# KiCad board Entrex Trapezoid Processor Board v37.kicad_pcb
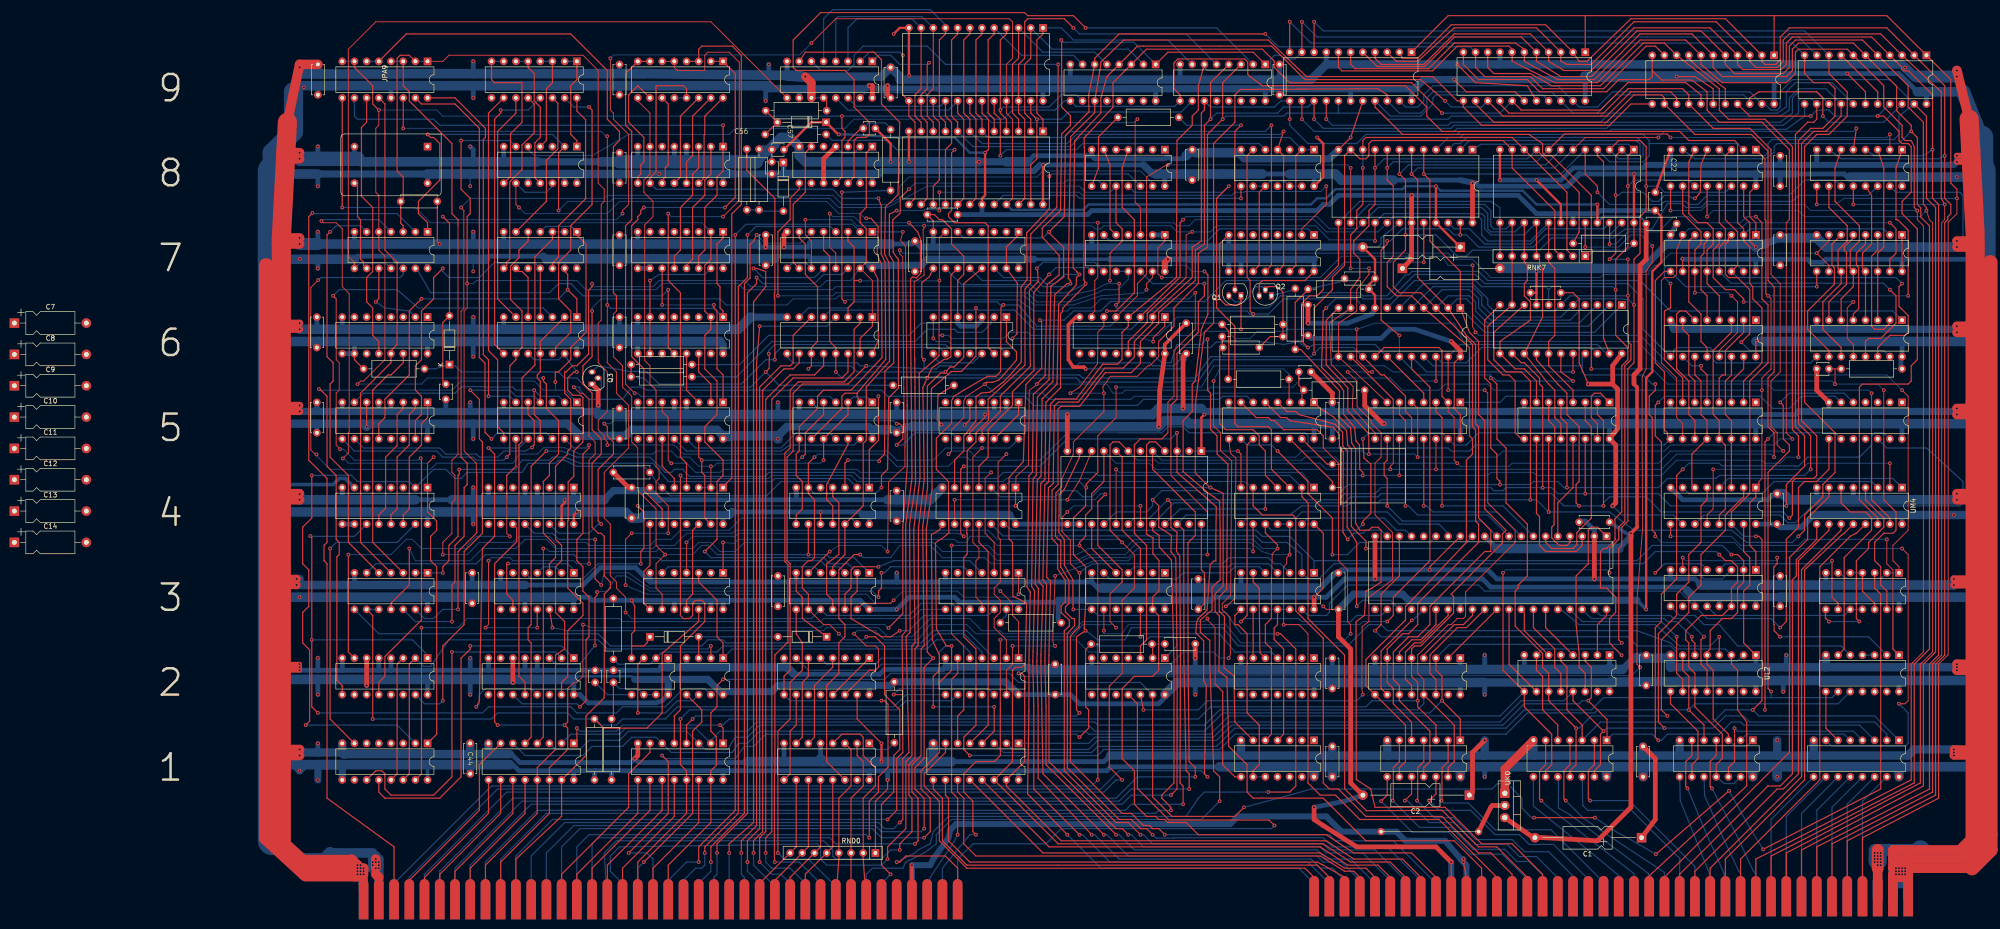
[diagram p0: board, top side]
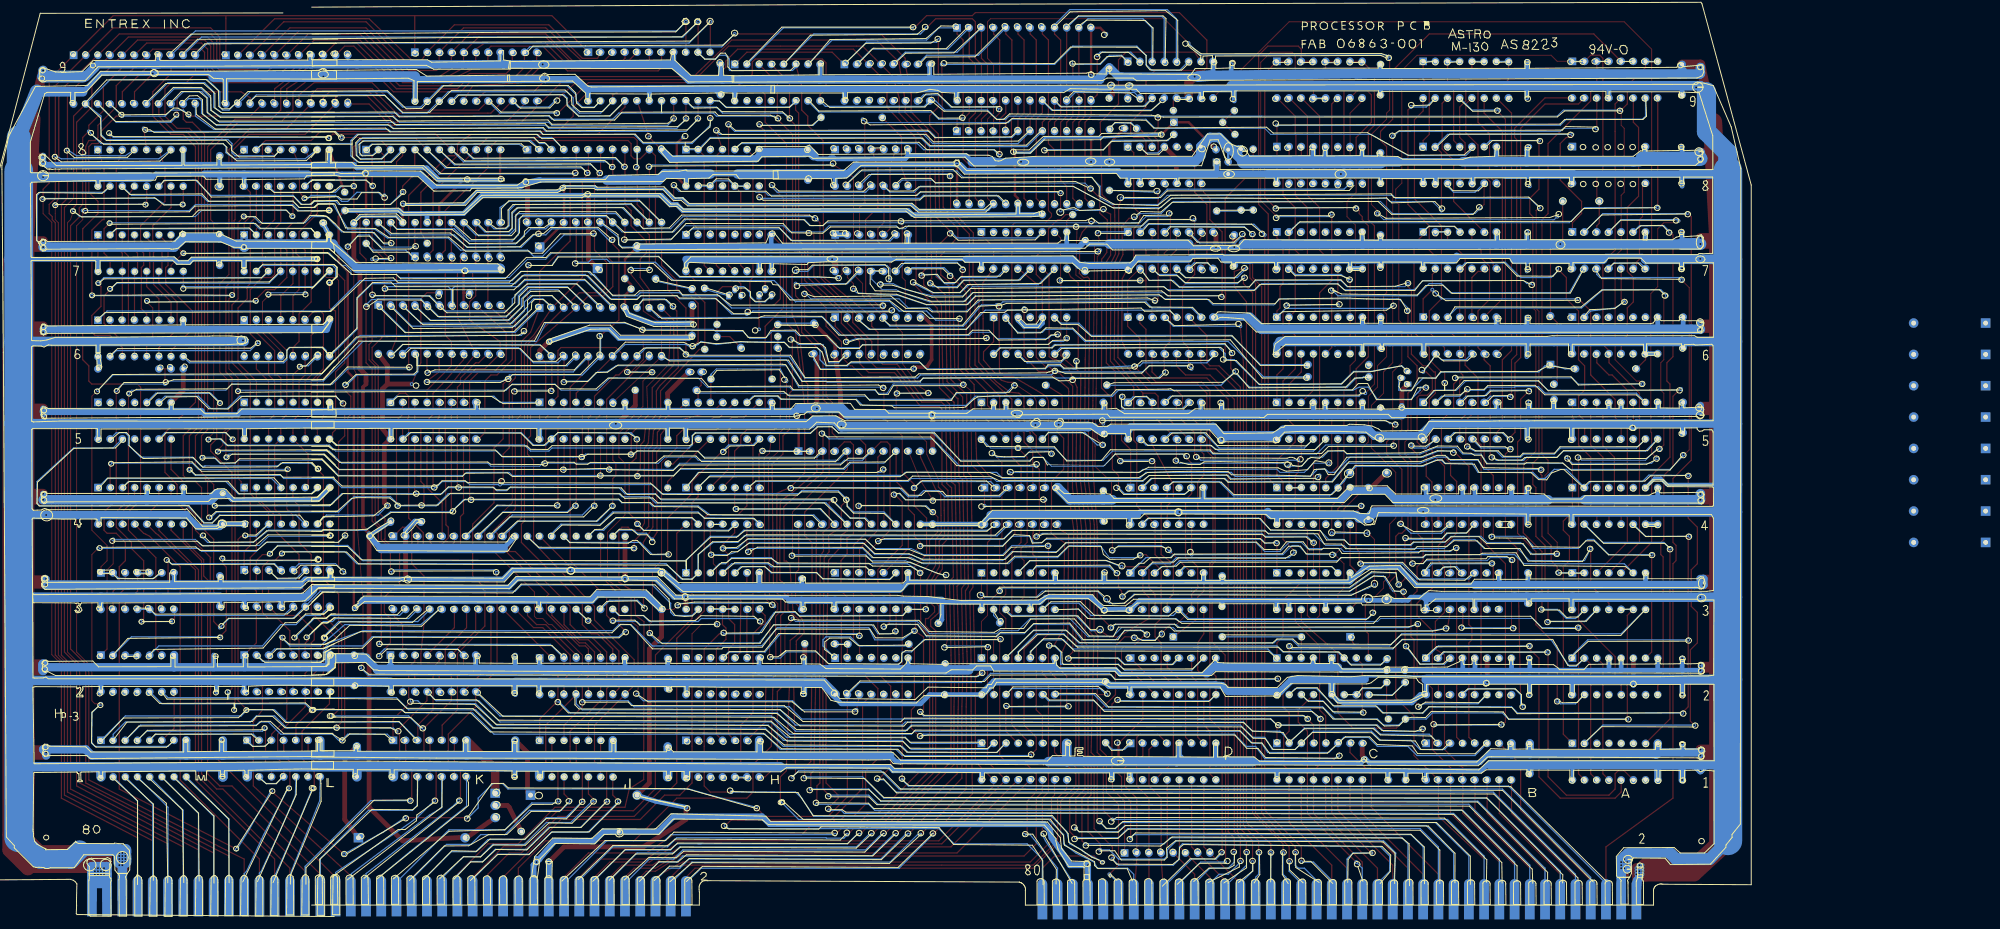
[diagram p1: board, bottom side, seen from below]

No outline. copper layers: Top, Bottom. Coordinates in mm from the lowest, leftmost part position.
Stack: Top 0.035mm / dielectric 1.51mm FR4 er 4.5 / Bottom 0.035mm

## Placement (name value [footprint] x y rotation side)
C1  CAP  [CAP 21.75mm Polarized]  339.17 18.1 180 top
C2  CAP  [CAP 21.75mm Polarized]  303.29 26.99 180 top
C3  CAP  [Disc Capacitor Entrex Trapezoid .10]  269 115.25 0 top
C4  CAP  [Disc Capacitor Entrex Trapezoid .10]  121.04 51.75 270 top
C5  C  [Disc Capacitor Entrex Trapezoid .10]  124.85 51.75 270 top
C6  CAP  [Disc Capacitor Entrex Trapezoid .30]  255.67 120.33 0 top
C7  CAP  [CP_Axial_L10.0mm_D4.5mm_P15.00mm_Horizontal]  0 125.44 0 top
C8  CAP  [CP_Axial_L10.0mm_D4.5mm_P15.00mm_Horizontal]  0 118.9 0 top
C9  CAP  [CP_Axial_L10.0mm_D4.5mm_P15.00mm_Horizontal]  0 112.37 0 top
C10  CAP  [CP_Axial_L10.0mm_D4.5mm_P15.00mm_Horizontal]  0 105.83 0 top
C11  CAP  [CP_Axial_L10.0mm_D4.5mm_P15.00mm_Horizontal]  0 99.3 0 top
C12  CAP  [CP_Axial_L10.0mm_D4.5mm_P15.00mm_Horizontal]  0 92.76 0 top
C13  CAP  [CP_Axial_L10.0mm_D4.5mm_P15.00mm_Horizontal]  0 86.23 0 top
C14  CAP  [CP_Axial_L10.0mm_D4.5mm_P15.00mm_Horizontal]  0 79.69 0 top
C15  CAP  [Entrex Cap Radial Silver]  301.38 141.29 180 top
C16  CAP  [Entrex Cap Radial Silver]  289.32 136.84 0 top
C17  CAP  [Disc Capacitor Entrex Trapezoid]  63.47 176.85 270 top
C18  CAP  [Disc Capacitor Entrex Trapezoid]  126.34 176.85 270 top
C19  CAP  [Disc Capacitor Entrex Trapezoid]  182.85 176.21 270 top
C20  CAP  [Disc Capacitor Entrex Trapezoid]  126.34 158.43 270 top
C21  CAP  [Disc Capacitor Entrex Trapezoid]  245.72 159.07 270 top
C22  CAP  [Disc Capacitor Entrex Trapezoid .15]  342.02 150.81 270 top
C23  CAP  [Disc Capacitor Entrex Trapezoid]  368.27 157.8 270 top
C24  CAP  [Disc Capacitor Entrex Trapezoid]  126.34 141.29 270 top
C25  CAP  [Disc Capacitor Entrex Trapezoid]  187.94 140.02 270 top
C26  CAP  [Disc Capacitor Entrex Trapezoid]  342.66 146.37 0 top
C27  CAP  [Disc Capacitor Entrex Trapezoid]  368.27 141.29 270 top
C28  CAP  [Disc Capacitor Entrex Trapezoid]  63.26 124.14 270 top
C29  CAP  [Disc Capacitor Entrex Trapezoid]  126.34 124.14 270 top
C30  CAP  [Disc Capacitor Entrex Trapezoid]  126.34 105.09 270 top
C31  CAP  [Disc Capacitor Entrex Trapezoid]  184.12 106.36 270 top
C32  CAP  [Disc Capacitor Entrex Trapezoid 2]  276.2 69.53 270 top
C33  CAP  [Disc Capacitor Entrex Trapezoid]  128.88 88.58 270 top
C34  CAP  [Disc Capacitor Entrex Trapezoid]  184.12 87.95 270 top
C35  CAP  [Disc Capacitor Entrex Trapezoid]  328.69 84.14 0 top
C36  CAP  [Disc Capacitor Entrex Trapezoid]  367.64 87.31 270 top
C37  CAP  [Disc Capacitor Entrex Trapezoid]  95.65 70.8 270 top
C38  CAP  [Disc Capacitor Entrex Trapezoid]  159.36 70.17 270 top
C39  CAP  [Disc Capacitor Entrex Trapezoid]  246.99 69.53 270 top
C40  CAP  [Disc Capacitor Entrex Trapezoid]  368.27 70.17 270 top
C41  CAP  [Disc Capacitor Entrex Trapezoid]  217.14 51.75 270 top
C42  CAP  [Disc Capacitor Entrex Trapezoid]  274.93 53.02 270 top
C43  CAP  [Disc Capacitor Entrex Trapezoid]  340.33 53.66 270 top
C44  CAP  [Disc Capacitor Entrex Trapezoid]  95.22 35.24 270 top
C45  CAP  [Disc Capacitor Entrex Trapezoid]  274.93 34.61 270 top
C46  CAP  [Disc Capacitor Entrex Trapezoid]  339.7 34.61 270 top
C47  CAP  [Disc Capacitor Entrex Trapezoid]  192.8 148.27 0 top
C48  CAP  [Disc Capacitor Entrex Trapezoid 2]  274.93 105.09 270 top
C49  CAP  [Disc Capacitor Entrex Trapezoid]  63.26 106.36 270 top
C50  CAP  [Disc Capacitor Entrex Trapezoid]  156.82 141.29 270 top
C51  CAP  [Disc Capacitor Entrex Trapezoid]  279.8 134.94 0 top
C52  CAP  [Disc Capacitor Entrex Trapezoid]  244.45 122.87 270 top
C55  CAP  [Disc Capacitor Entrex Trapezoid]  242.33 58.74 0 top
C56  CAP  [Disc Capacitor Entrex Trapezoid .10]  159.15 161.61 0 top
C57  CAP  [Disc Capacitor Entrex Trapezoid .10]  157.88 157.8 270 top
C58  CAP  [Disc Capacitor Entrex Trapezoid .125]  89.93 111.44 270 top
C59  CAP  [Disc Capacitor Entrex Trapezoid .10]  376.95 115.89 0 top
C60  CAP  [Disc Capacitor Entrex Trapezoid]  269.85 126.68 270 top
C61  CAP  [Disc Capacitor Entrex Trapezoid]  318.53 131.98 0 top
C62  CAP  [Disc Capacitor Entrex Trapezoid]  263.92 176.85 270 top
C63  CAP  [Disc Capacitor Entrex Trapezoid .30]  128.66 94.3 0 top
C64  C  [Disc Capacitor Entrex Trapezoid .30]  84.34 150.81 0 top
C65  CAP  [Disc Capacitor Entrex Trapezoid .10]  178.19 166.05 0 top
CR2  1N4148  [D_DO-35_SOD27_P10.16mm_Horizontal]  169.31 60.01 180 top
CR3  1N4148  [D_DO-35_SOD27_P10.16mm_Horizontal]  132.47 60.01 0 top
CR4  1N4148  [D_DO-35_SOD27_P10.16mm_Horizontal]  160.29 158.94 270 top
CR5  1N4148  [D_DO-35_SOD27_P10.16mm_Horizontal]  90.69 116.78 90 top
CR6  1N4148  [D_DO-35_SOD27_P10.16mm_Horizontal]  169.18 167.32 180 top
J1  Jumper_2_Bridged  [Wire Jumper 0.8in]  295.04 16.83 0 top
J17  Card Edge Connector  [Card_Edge_Entrex_Trapezoid]  71.2 0 0 top
J18  Card Edge Connector  [Card_Edge_Entrex_Trapezoid]  269.32 0.63 0 top
JPA9  1920 vs 480  [DIP-16_W7.62mm]  86.12 180.02 270 top
JPB9  1920 vs 480  [DIP-16_W7.62mm]  117.24 180.02 270 top
JPC9  1920 vs 480  [DIP-16_W7.62mm]  147.72 180.02 270 top
Q1  2N3904  [TO-92_Inline]  255.67 131.76 180 top
Q2  2N3904  [TO-92_Offset]  262.01 131.76 180 top
Q3  2N3904  [TO-92_Offset]  121.04 112.71 90 top
R2  R  [R_Axial_DIN0309_L9.0mm_D3.2mm_P12.70mm_Horizontal]  268.75 111.44 0 top
R3  R  [R_Axial_DIN0309_L9.0mm_D3.2mm_P12.70mm_Horizontal]  253 113.73 0 top
R4  R  [R_Axial_DIN0309_L9.0mm_D3.2mm_P12.70mm_Horizontal]  120.92 42.86 270 top
R5  R  [R_Axial_DIN0309_L9.0mm_D3.2mm_P12.70mm_Horizontal]  124.85 68.01 270 top
R6  R  [R_Axial_DIN0309_L9.0mm_D3.2mm_P12.70mm_Horizontal]  124.47 42.86 270 top
R7  R  [R_Axial_DIN0309_L9.0mm_D3.2mm_P12.70mm_Horizontal]  251.73 122.62 0 top
R8  R  [R_Axial_DIN0309_L9.0mm_D3.2mm_P12.70mm_Horizontal]  251.73 125.16 0 top
R9  R  [R_Axial_DIN0309_L9.0mm_D3.2mm_P12.70mm_Horizontal]  269.63 132.52 0 top
R10  R  [R_Axial_DIN0309_L9.0mm_D3.2mm_P12.70mm_Horizontal]  266.97 132.65 270 top
R12  R  [R_Axial_DIN0309_L9.0mm_D3.2mm_P12.70mm_Horizontal]  183.4 50.61 270 top
R13  R  [R_Axial_DIN0309_L9.0mm_D3.2mm_P12.70mm_Horizontal]  324.88 142.05 0 top
R14  R  [R_Axial_DIN0309_L9.0mm_D3.2mm_P12.70mm_Horizontal]  230.01 168.34 0 top
R17  R  [R_Axial_DIN0309_L9.0mm_D3.2mm_P12.70mm_Horizontal]  224.42 58.48 0 top
R18  R  [R_Axial_DIN0309_L9.0mm_D3.2mm_P12.70mm_Horizontal]  156.6 169.74 0 top
R19  R  [R_Axial_DIN0309_L9.0mm_D3.2mm_P12.70mm_Horizontal]  156.48 164.78 0 top
R20  R  [R_Axial_DIN0309_L9.0mm_D3.2mm_P12.70mm_Horizontal]  155.21 161.73 270 top
R21  R  [R_Axial_DIN0309_L9.0mm_D3.2mm_P12.70mm_Horizontal]  152.67 161.73 270 top
R22  R  [R_Axial_DIN0309_L9.0mm_D3.2mm_P12.70mm_Horizontal]  128.54 116.78 0 top
R23  R  [R_Axial_DIN0309_L9.0mm_D3.2mm_P12.70mm_Horizontal]  128.54 114.24 0 top
R24  R  [R_Axial_DIN0309_L9.0mm_D3.2mm_P12.70mm_Horizontal]  72.78 115.89 0 top
R25  R  [R_Axial_DIN0309_L9.0mm_D3.2mm_P12.70mm_Horizontal]  183.15 112.46 0 top
R26  R  [R_Axial_DIN0309_L9.0mm_D3.2mm_P12.70mm_Horizontal]  380.76 115.89 0 top
R27  R  [R_Axial_DIN0309_L9.0mm_D3.2mm_P12.70mm_Horizontal]  205.5 62.93 0 top
R28  R  [R_Axial_DIN0309_L9.0mm_D3.2mm_P12.70mm_Horizontal]  182.64 165.8 270 top
RND0  R_Network07_US  [R_Array_SIP8]  179.47 14.92 180 top
RNK7  R_Network07_US  [R_Array_SIP8]  327.42 139.38 180 top
UA1  74LS163  [DIP-16_W7.62mm]  86.12 37.78 270 top
UA2  74LS138  [DIP-16_W7.62mm]  86.12 55.56 270 top
UA3  74LS11  [DIP-14_W7.62mm]  86.12 73.34 270 top
UA4  74LS163  [DIP-16_W7.62mm]  86.12 91.12 270 top
UA5  74LS138  [DIP-16_W7.62mm]  86.12 108.9 270 top
UA6  74LS161  [DIP-16_W7.62mm]  86.12 126.68 270 top
UA7  74LS04  [DIP-14_W7.62mm]  86.12 144.46 270 top
UB1  74LS138  [DIP-16_W7.62mm]  116.6 37.78 270 top
UB2  74LS138  [DIP-16_W7.62mm]  116.6 55.56 270 top
UB3  74LS74  [DIP-14_W7.62mm]  116.6 73.34 270 top
UB4  74LS191  [DIP-16_W7.62mm]  116.6 91.12 270 top
UB5  74LS27  [DIP-14_W7.62mm]  117.24 108.9 270 top
UB6  74LS27  [DIP-14_W7.62mm]  117.24 126.68 270 top
UB7  74LS27  [DIP-14_W7.62mm]  117.24 144.46 270 top
UB8  74LS107  [DIP-14_W7.62mm]  117.24 162.24 270 top
UC1  74LS138  [DIP-16_W7.62mm]  147.72 37.78 270 top
UC2A1  NE555D  [DIP-8_W7.62mm]  136.28 55.55 270 top
UC2B1  SN75452B  [DIP-8_W7.62mm]  147.72 55.56 270 top
UC3  74LS107  [DIP-14_W7.62mm]  147.72 73.34 270 top
UC4  74LS27  [DIP-14_W7.62mm]  147.72 91.12 270 top
UC5  74LS138  [DIP-16_W7.62mm]  147.72 108.9 270 top
UC6  74LS163  [DIP-16_W7.62mm]  147.72 126.68 270 top
UC7  74LS163  [DIP-16_W7.62mm]  147.72 144.46 270 top
UC8  74LS138  [DIP-16_W7.62mm]  147.72 162.24 270 top
UD1  74LS148  [DIP-16_W7.62mm]  178.19 37.78 270 top
UD2  8T98  [DIP-16_W7.62mm]  178.19 55.56 270 top
UD3  74LS04  [DIP-14_W7.62mm]  178.19 73.34 270 top
UD4  74LS107  [DIP-14_W7.62mm]  178.19 91.12 270 top
UD5  74LS27  [DIP-14_W7.62mm]  178.83 108.9 270 top
UD6  8T98  [DIP-16_W7.62mm]  178.83 126.68 270 top
UD7  8T98  [DIP-16_W7.62mm]  178.83 144.46 270 top
UD8  74LS74  [DIP-14_W7.62mm]  178.83 162.24 270 top
UD9  8274  [DIP-16_W7.62mm]  178.83 180.02 270 top
UE1  74LS138  [DIP-16_W7.62mm]  209.31 37.78 270 top
UE2  74LS06  [DIP-14_W7.62mm]  209.31 55.56 270 top
UE3  74LS107  [DIP-14_W7.62mm]  209.31 73.34 270 top
UE4  74LS32  [DIP-14_W7.62mm]  208.68 91.12 270 top
UE5  74LS93  [DIP-14_W7.62mm]  209.31 108.9 270 top
UE6  Q2T2222  [DIP-14_W7.62mm]  206.77 126.68 270 top
UE7  8T97  [DIP-16_W7.62mm]  209.31 144.46 270 top
UE8  AM9208  [DIP-24_W15.24mm]  214.39 165.42 270 top
UE9  AM9208  [DIP-24_W15.24mm]  214.39 187.01 270 top
UF2  74LS08  [DIP-14_W7.62mm]  239.79 55.56 270 top
UF3  74LS04  [DIP-14_W7.62mm]  239.79 73.34 270 top
UF4  8212  [DIP-24_W15.24mm]  247.41 98.74 270 top
UF6  8T97  [DIP-16_W7.62mm]  239.79 126.68 270 top
UF7  74LS27  [DIP-14_W7.62mm]  239.79 143.83 270 top
UF8  74LS00  [DIP-14_W7.62mm]  239.79 161.61 270 top
UF9  74LS174  [DIP-16_W7.62mm]  237.88 179.39 270 top
UH1  74LS00  [DIP-14_W7.62mm]  270.9 38.42 270 top
UH2  74LS32  [DIP-14_W7.62mm]  270.9 55.56 270 top
UH3  74LS11  [DIP-14_W7.62mm]  270.9 73.34 270 top
UH4  74LS04  [DIP-14_W7.62mm]  270.9 91.12 270 top
UH5  D8224  [DIP-16_W7.62mm]  270.9 108.9 270 top
UH7  74LS163  [DIP-16_W7.62mm]  270.9 143.83 270 top
UH8  7440  [DIP-14_W7.62mm]  270.9 161.61 270 top
UH9  74LS174  [DIP-16_W7.62mm]  260.75 179.39 270 top
UJ1  74LS04  [DIP-14_W7.62mm]  301.38 38.42 270 top
UJ2  8T97  [DIP-16_W7.62mm]  301.38 55.56 270 top
UJ5  8T28  [DIP-16_W7.62mm]  301.38 108.9 270 top
UJ6  AM91L01b  [DIP-22_W10.16mm]  301.38 128.59 270 top
UJ8  2708_EPROM  [DIP-24_W15.24mm]  303.93 161.61 270 top
UJ9  AM91L01b  [DIP-22_W10.16mm]  291.23 181.93 270 top
UK0  UA79M05  [TO-220-3_Vertical]  310.66 27.37 270 top
UK1  74LS04  [DIP-14_W7.62mm]  331.87 38.42 270 top
UK2  8T97  [DIP-16_W7.62mm]  332.5 56.2 270 top
UK3  AM9080A  [DIP-40_W15.24mm]  331.87 80.96 270 top
UK5  8T28  [DIP-16_W7.62mm]  332.5 108.9 270 top
UK6  AM91L01b  [DIP-22_W10.16mm]  335.04 129.22 270 top
UK8  2708_EPROM  [DIP-24_W15.24mm]  337.58 161.61 270 top
UK9  AM91L01b  [DIP-22_W10.16mm]  327.42 181.93 270 top
UL1  74LS04  [DIP-14_W7.62mm]  362.35 38.42 270 top
UL2  8T97  [DIP-16_W7.62mm]  362.98 56.2 270 top
UL3  74LS157  [DIP-16_W7.62mm]  362.98 73.98 270 top
UL4  74LS157  [DIP-16_W7.62mm]  362.98 91.12 270 top
UL5  74LS161  [DIP-16_W7.62mm]  362.96 108.89 270 top
UL6  74LS174  [DIP-16_W7.62mm]  362.98 126.05 270 top
UL7  74LS161  [DIP-16_W7.62mm]  362.98 143.83 270 top
UL8  74LS157  [DIP-16_W7.62mm]  362.98 161.61 270 top
UL9  AM91L01b  [DIP-22_W10.16mm]  366.79 181.29 270 top
UM1  74LS138  [DIP-16_W7.62mm]  392.82 38.42 270 top
UM2  74LS08  [DIP-14_W7.62mm]  392.82 56.2 270 top
UM3  74LS10  [DIP-14_W7.62mm]  392.82 73.34 270 top
UM4  74LS138  [DIP-16_W7.62mm]  393.46 91.12 270 top
UM5  74LS04  [DIP-14_W7.62mm]  393.46 108.9 270 top
UM6  74LS174  [DIP-16_W7.62mm]  393.46 126.05 270 top
UM7  74LS161  [DIP-16_W7.62mm]  393.46 143.83 270 top
UM8  74LS157  [DIP-16_W7.62mm]  393.46 161.61 270 top
UM9  AM91L01b  [DIP-22_W10.16mm]  398.54 181.29 270 top
XA8  6.4137 MHz  [Oscillator_DIP-14]  86.12 162.24 180 top
YJ4  Crystal CY19A 18.0Mhz  [Crystal_HC18-U_Horizontal]  274.71 91.12 90 top

## Library data of the parts
C1-C4 C6-C52 C55-C63 C65 = -: Description: Capacitor symbol for simulation only
C5 C64 = -: Description: Unpolarized capacitor
CR2-CR6 = -: Description: 100V 0.15A standard switching diode, DO-35; Sim.Device: D; Sim.Pins: 1=K 2=A
J1 = -: Description: Jumper, 2-pole, closed/bridged
J17 J18 = -: Description: Generic connector, double row, 02x40, odd/even pin numbering scheme (row 1 odd numbers, row 2 even numbers), script generated (kicad-library-utils/schlib/autogen/connector/); Field4: x
Q1-Q3 = -: Description: 0.2A Ic, 40V Vce, Small Signal NPN Transistor, TO-92
R2-R10 R12-R14 R17-R28 = -: Description: Resistor
RND0 RNK7 = -: Description: 7 resistor network, star topology, bussed resistors, small US symbol
UA1 UA4 UA6 UC6 UC7 UH7 UL5 UL7 UM7 = -: Description: Synchronous 4-bit programmable binary Counter
UA2 UA5 UB1 UB2 UC1 UC5 UC8 UE1 UM1 UM4 = -: Description: Decoder 3 to 8 active low outputs
UA3 UH3 = -: Description: Triple 3-input AND
UA7 UD3 UF3 UH4 UJ1 UK1 UL1 UM5 = -: Description: Hex Inverter
UB3 UD8 = -: Description: Dual D Flip-flop, Set & Reset
UB4 = -: Description: 4-bit Synchronous Up/Down binary Counter
UB5-UB7 UC4 UD5 UF7 = -: Description: Triple 3-input NOR
UB8 UC3 UD4 UE3 = -: Description: Dual JK Flip-Flop, reset
UC2A1 UC2B1 = -: Description: Precision Timers, 555 compatible, SOIC-8
UD1 = -: Description: Priority Encoder 3 to 8 cascadable
UE2 = -: Description: Inverter Open Collect
UE4 UH2 = -: Description: Quad 2-input OR
UE5 = -: Description: Divide by 2 & 8 counter
UE8 UE9 UJ8 UK8 = -: Description: OTP EPROM 64 KiBit, [Obsolete 2004-01]
UF2 UM2 = -: Description: Quad And2
UF8 UH1 = -: Description: quad 2-input NAND gate
UF9 UH9 UL6 UM6 = -: Description: Hex D-type Flip-Flop, reset
UJ6 UJ9 UK6 UK9 UL9 UM9 = -: Description: 256 x 4 Static RAM
UK0 = -: Description: Negative 1A 35V Linear Regulator, Fixed Output 5V, TO-220
UK3 = -: Description: 3 1/2 Digit, LCD Display, A/D Converter, DIP-40
UL3 UL4 UL8 UM8 = -: Description: Quad 2 to 1 line Multiplexer
UM3 = -: Description: Triple 3-input NAND
XA8 = -: Description: Crystal Clock Oscillator, DIP14-style metal package
YJ4 = -: Description: Two pin crystal

## Footprints (pads in the part's own frame, mm; a bottom-side part is the same pattern mirrored in y, then rotated)
CAP 21.75mm Polarized
  rect 2x2 hole 1: 1(0,0)
  oval 2x2 hole 1: 2(22.225,0)
Card_Edge_Entrex_Trapezoid
  custom 2.032x7.4 smd: 1(1.587,4.763) 3(4.763,4.763) 5(7.938,4.763) 7(11.113,4.763) 9(14.287,4.763) 11(17.462,4.763) 13(20.637,4.763) 15(23.812,4.763) 17(26.988,4.763) 19(30.163,4.763) 21(33.337,4.763) 23(36.513,4.763) 25(39.688,4.763) 27(42.862,4.763) 29(46.038,4.763) 31(49.212,4.763) 33(52.388,4.763) 35(55.562,4.763) 37(58.737,4.763) 39(61.913,4.763) 41(65.088,4.763) 43(68.263,4.763) 45(71.438,4.763) 47(74.612,4.763) 49(77.787,4.763) 51(80.963,4.763) 53(84.138,4.763) 55(87.312,4.763) 57(90.487,4.763) 59(93.662,4.763) 61(96.838,4.763) 63(100.013,4.763) 65(103.188,4.763) 67(106.362,4.763) 69(109.537,4.763) 71(112.713,4.763) 73(115.888,4.763) 75(119.062,4.763) 77(122.237,4.763) 79(125.412,4.763)
  custom 2.032x7.4 smd far side: 2(1.587,4.763) 4(4.763,4.763) 6(7.938,4.763) 8(11.113,4.763) 10(14.287,4.763) 12(17.462,4.763) 14(20.637,4.763) 16(23.812,4.763) 18(26.988,4.763) 20(30.163,4.763) 22(33.337,4.763) 24(36.513,4.763) 26(39.688,4.763) 28(42.862,4.763) 30(46.038,4.763) 32(49.212,4.763) 34(52.388,4.763) 36(55.562,4.763) 38(58.737,4.763) 40(61.913,4.763) 42(65.088,4.763) 44(68.263,4.763) 46(71.438,4.763) 48(74.612,4.763) 50(77.787,4.763) 52(80.963,4.763) 54(84.138,4.763) 56(87.312,4.763) 58(90.487,4.763) 60(93.662,4.763) 62(96.838,4.763) 64(100.013,4.763) 66(103.188,4.763) 68(106.362,4.763) 70(109.537,4.763) 72(112.713,4.763) 74(115.888,4.763) 76(119.062,4.763) 78(122.237,4.763) 80(125.412,4.763)
CP_Axial_L10.0mm_D4.5mm_P15.00mm_Horizontal
  rect 2x2 hole 1: 1(0,0)
  oval 2x2 hole 1: 2(15,0)
Crystal_HC18-U_Horizontal
  round 1.5 hole 0.8: 1(0,0) 2(4.9,0)
D_DO-35_SOD27_P10.16mm_Horizontal
  rect 1.6x1.6 hole 0.8: 1(0,0)
  oval 1.6x1.6 hole 0.8: 2(10.16,0)
DIP-8_W7.62mm
  rect 1.6x1.6 hole 0.8: 1(0,0)
  oval 1.6x1.6 hole 0.8: 2(0,-2.54) 3(0,-5.08) 4(0,-7.62) 5(7.62,-7.62) 6(7.62,-5.08) 7(7.62,-2.54) 8(7.62,0)
DIP-14_W7.62mm
  rect 1.6x1.6 hole 0.8: 1(0,0)
  oval 1.6x1.6 hole 0.8: 2(0,-2.54) 3(0,-5.08) 4(0,-7.62) 5(0,-10.16) 6(0,-12.7) 7(0,-15.24) 8(7.62,-15.24) 9(7.62,-12.7) 10(7.62,-10.16) 11(7.62,-7.62) 12(7.62,-5.08) 13(7.62,-2.54) 14(7.62,0)
DIP-16_W7.62mm
  rect 1.6x1.6 hole 0.8: 1(0,0)
  oval 1.6x1.6 hole 0.8: 2(0,-2.54) 3(0,-5.08) 4(0,-7.62) 5(0,-10.16) 6(0,-12.7) 7(0,-15.24) 8(0,-17.78) 9(7.62,-17.78) 10(7.62,-15.24) 11(7.62,-12.7) 12(7.62,-10.16) 13(7.62,-7.62) 14(7.62,-5.08) 15(7.62,-2.54) 16(7.62,0)
DIP-22_W10.16mm
  rect 1.6x1.6 hole 0.8: 1(0,0)
  oval 1.6x1.6 hole 0.8: 2(0,-2.54) 3(0,-5.08) 4(0,-7.62) 5(0,-10.16) 6(0,-12.7) 7(0,-15.24) 8(0,-17.78) 9(0,-20.32) 10(0,-22.86) 11(0,-25.4) 12(10.16,-25.4) 13(10.16,-22.86) 14(10.16,-20.32) 15(10.16,-17.78) 16(10.16,-15.24) 17(10.16,-12.7) 18(10.16,-10.16) 19(10.16,-7.62) 20(10.16,-5.08) 21(10.16,-2.54) 22(10.16,0)
DIP-24_W15.24mm
  rect 1.6x1.6 hole 0.8: 1(0,0)
  oval 1.6x1.6 hole 0.8: 2(0,-2.54) 3(0,-5.08) 4(0,-7.62) 5(0,-10.16) 6(0,-12.7) 7(0,-15.24) 8(0,-17.78) 9(0,-20.32) 10(0,-22.86) 11(0,-25.4) 12(0,-27.94) 13(15.24,-27.94) 14(15.24,-25.4) 15(15.24,-22.86) 16(15.24,-20.32) 17(15.24,-17.78) 18(15.24,-15.24) 19(15.24,-12.7) 20(15.24,-10.16) 21(15.24,-7.62) 22(15.24,-5.08) 23(15.24,-2.54) 24(15.24,0)
DIP-40_W15.24mm
  rect 1.6x1.6 hole 0.8: 1(0,0)
  oval 1.6x1.6 hole 0.8: 2(0,-2.54) 3(0,-5.08) 4(0,-7.62) 5(0,-10.16) 6(0,-12.7) 7(0,-15.24) 8(0,-17.78) 9(0,-20.32) 10(0,-22.86) 11(0,-25.4) 12(0,-27.94) 13(0,-30.48) 14(0,-33.02) 15(0,-35.56) 16(0,-38.1) 17(0,-40.64) 18(0,-43.18) 19(0,-45.72) 20(0,-48.26) 21(15.24,-48.26) 22(15.24,-45.72) 23(15.24,-43.18) 24(15.24,-40.64) 25(15.24,-38.1) 26(15.24,-35.56) 27(15.24,-33.02) 28(15.24,-30.48) 29(15.24,-27.94) 30(15.24,-25.4) 31(15.24,-22.86) 32(15.24,-20.32) 33(15.24,-17.78) 34(15.24,-15.24) 35(15.24,-12.7) 36(15.24,-10.16) 37(15.24,-7.62) 38(15.24,-5.08) 39(15.24,-2.54) 40(15.24,0)
Disc Capacitor Entrex Trapezoid
  round 1.6 hole 0.8: 1(-2.54,-0.215) 2(3.81,-0.215)
Disc Capacitor Entrex Trapezoid 2
  round 1.6 hole 0.8: 1(-3.81,-0.215) 2(3.81,-0.215)
Disc Capacitor Entrex Trapezoid .10
  round 1.6 hole 0.8: 1(-1.27,0) 2(1.27,0)
Disc Capacitor Entrex Trapezoid .15
  round 1.6 hole 0.8: 1(-1.905,0) 2(1.905,0)
Disc Capacitor Entrex Trapezoid .30
  round 1.6 hole 0.8: 1(-3.81,0) 2(3.81,0)
Disc Capacitor Entrex Trapezoid .125
  round 1.6 hole 0.8: 1(-1.27,0) 2(1.905,0)
Entrex Cap Radial Silver
  rect 2x2 hole 1: 1(0,0)
  oval 2x2 hole 1: 2(20.32,0)
Oscillator_DIP-14
  rect 1.6x1.6 hole 0.8: 1(0,0)
  round 1.6 hole 0.8: 7(15.24,0) 8(15.24,7.62) 14(0,7.62)
R_Array_SIP8
  rect 1.6x1.6 hole 0.8: 1(0,0)
  oval 1.6x1.6 hole 0.8: 2(2.54,0) 3(5.08,0) 4(7.62,0) 5(10.16,0) 6(12.7,0) 7(15.24,0) 8(17.78,0)
R_Axial_DIN0309_L9.0mm_D3.2mm_P12.70mm_Horizontal
  round 1.6 hole 0.8: 1(0,0)
  oval 1.6x1.6 hole 0.8: 2(12.7,0)
TO-92_Inline
  rect 1.05x1.5 hole 0.75: 1(0,0.635)
  oval 1.05x1.5 hole 0.75: 2(1.27,-0.635) 3(2.54,0.635)
TO-92_Offset
  rect 1.05x1.5 hole 0.75: 1(0,0.635)
  oval 1.05x1.5 hole 0.75: 2(1.27,-0.635) 3(2.54,0.635)
TO-220-3_Vertical
  rect 1.905x2 hole 1.1: 1(0,0)
  oval 1.905x2 hole 1.1: 2(2.54,0) 3(5.08,0)
Wire Jumper 0.8in
  round 1.524 hole 0.762: 1(-10.16,2.54) 2(10.16,2.54)

## Nets
-5V: C1.2 C15.1 C26.1 C35.2 C58.1 CR5.2 UE8.21 UE9.21 UJ8.21 UK0.3 UK3.11 UK8.21
-12v: J1.1 J1.2 J17.73 J17.74 J18.21 J18.22 UK0.2
GND: C1.1 C2.1 C3.2 C4.1 C5.1 C15.2 C16.2 C17.1 C18.1 C19.1 C20.1 C21.1 C22.1 C23.1 C24.1 C25.1 C26.2 C27.1 C28.1 C29.1 C30.1 C31.1 C32.1 C33.1 C34.1 C35.1 C36.1 C37.1 C38.1 C39.1 C40.1 C41.1 C42.1 C43.1 C44.1 C45.1 C46.1 C47.1 C48.1 C49.1 C50.1 C51.2 C52.2 C55.2 C56.1 C57.1 C58.2 C59.1 C60.1 C61.1 C62.1 C63.1 C64.2 C65.2 CR2.1 J17.1 J17.2 J18.77 J18.78 J18.79 J18.80 Q1.1 Q3.1 R9.2 R18.2 R20.1 UA1.8 UA2.4 UA2.5 UA2.8 UA3.7 UA4.8 UA5.4 UA5.5 UA5.8 UA6.8 UA7.7 UB1.8 UB2.4 UB2.5 UB2.8 UB3.7 UB4.1 UB4.4 UB4.5 UB4.8 UB4.15 UB5.7 UB6.7 UB7.7 UB8.7 UC1.8 UC2A1.1 UC2B1.4 UC3.7 UC4.7 UC5.4 UC5.5 UC5.8 UC6.8 UC7.8 UC8.4 UC8.5 UC8.8 UD1.5 UD1.8 UD2.8 UD2.15 UD3.7 UD4.7 UD5.7 UD6.8 UD7.8 UD8.7 UD9.8 UD9.11 UD9.12 UE1.8 UE2.7 UE3.7 UE4.7 UE5.2 UE5.3 UE5.10 UE6.3 UE6.5 UE7.8 UE8.12 UE8.18 UE9.12 UE9.18 UF2.7 UF3.7 UF4.1 UF4.2 UF4.12 UF6.8 UF7.7 UF8.7 UF9.8 UH1.7 UH2.7 UH3.7 UH4.7 UH5.8 UH7.8 UH8.7 UH9.8 UJ1.7 UJ2.1 UJ2.8 UJ5.8 UJ6.8 UJ8.12 UJ8.18 UJ9.8 UJ9.18 UK0.1 UK1.7 UK2.1 UK2.8 UK3.2 UK3.13 UK5.8 UK6.8 UK8.12 UK8.18 UK9.8 UK9.18 UL1.7 UL2.1 UL2.8 UL3.8 UL3.15 UL4.8 UL4.15 UL5.8 UL6.8 UL7.8 UL8.8 UL8.15 UL9.8 UL9.18 UM1.8 UM2.7 UM3.7 UM4.5 UM4.8 UM5.7 UM6.8 UM7.8 UM8.8 UM8.15 UM9.8 UM9.18 XA8.7
VCC: C17.2 C18.2 C19.2 C20.2 C21.2 C23.2 C24.2 C25.2 C27.2 C28.2 C29.2 C30.2 C31.2 C33.2 C34.2 C36.2 C37.2 C38.2 C39.2 C40.2 C41.2 C42.2 C43.2 C44.2 C45.2 C46.2 C48.2 C49.2 C50.2 C52.1 C57.2 C60.2 C61.2 C62.2 CR3.1 CR4.1 J17.3 J17.4 J18.75 J18.76 JPA9.13 Q2.3 R2.2 R3.1 R4.2 R5.1 R6.2 R8.1 R12.1 R13.2 R24.1 R25.2 R26.2 R27.2 RND0.1 RNK7.1 UA1.9 UA1.16 UA2.6 UA2.16 UA3.14 UA4.7 UA4.16 UA5.6 UA5.16 UA6.9 UA6.10 UA6.16 UA7.14 UB1.16 UB2.6 UB2.16 UB3.10 UB3.14 UB4.16 UB5.14 UB6.14 UB7.14 UB8.10 UB8.13 UB8.14 UC1.16 UC2A1.4 UC2A1.8 UC2B1.8 UC3.10 UC3.13 UC3.14 UC4.14 UC5.16 UC6.9 UC6.16 UC7.9 UC7.10 UC7.16 UC8.16 UD1.16 UD2.16 UD3.14 UD4.10 UD4.14 UD5.14 UD6.16 UD7.16 UD8.2 UD8.4 UD8.10 UD8.13 UD8.14 UD9.10 UD9.16 UE1.16 UE2.14 UE3.10 UE3.14 UE4.14 UE5.5 UE7.16 UE8.24 UE9.24 UF2.14 UF3.14 UF4.13 UF4.14 UF4.24 UF6.16 UF7.14 UF8.14 UF9.16 UH1.14 UH2.14 UH3.14 UH4.14 UH5.16 UH7.9 UH7.10 UH7.16 UH8.14 UH9.16 UJ1.14 UJ2.16 UJ5.16 UJ6.22 UJ8.24 UJ9.17 UJ9.22 UK1.14 UK2.16 UK3.20 UK5.16 UK6.22 UK8.24 UK9.17 UK9.22 UL1.14 UL2.16 UL3.13 UL3.16 UL4.10 UL4.16 UL5.16 UL6.16 UL7.1 UL7.10 UL7.16 UL8.16 UL9.17 UL9.22 UM1.16 UM2.14 UM3.14 UM4.16 UM5.14 UM6.16 UM7.1 UM7.16 UM8.16 UM9.17 UM9.22 XA8.14
VDD: C2.2 C16.1 C22.2 C32.2 C47.2 C56.2 CR6.1 J18.19 J18.20 UE8.19 UE9.19 UH5.9 UJ8.19 UK3.28 UK8.19
8080-INT: UH4.8 UK3.14
/CR4_2: CR4.2 R20.2 R21.2
/E6_10: UE6.10
/Three-Resistors: CR6.2 R18.1 R19.1
/UA1_3: UA1.3
/UA1_4: UA1.4
/UA1_5: UA1.5
/UA1_6: UA1.6
/UA1_10: UA1.10
/UA4_3: UA4.3
/UA4_4: UA4.4
/UA4_5: UA4.5
/UA4_6: UA4.6
/UA6_1: UA6.1
/UA6_3: UA6.3
/UA6_4: UA6.4
/UA6_5: UA6.5
/UA6_6: UA6.6
/UA6_7: UA6.7
/UA6_11: UA6.11
/UA6_15: UA6.15
/UB3_6: UB3.6
/UB3_8: UB3.8
/UB3_13: UB3.13
/UB4_9: UB4.9
/UB4_10: UB4.10
/UB8_3: UB8.3
/UC3_5: UC3.5
/UC4_10: UC4.10
/UC4_11: UC4.11
/UC5_7: UC5.7
/UC5_9: UC5.9
/UC5_10: UC5.10
/UC5_11: UC4.5 UC5.11
/UC5_15: UC5.15
/UC6_3: UC6.3
/UC6_4: UC6.4
/UC6_5: UC6.5
/UC6_6: UC6.6
/UC6_11: UC6.11
/UC6_15: UC6.15
/UC7_3: UC7.3
/UC7_4: UC7.4
/UC7_5: UC7.5
/UC7_6: UC7.6
/UC7_7: UC7.7
/UD4_5: UD4.5
/UD8_9: UD8.9
/UE3_2: UE3.2
/UE3_6: UE3.6